# Altium PCB ROBOT1.PcbDoc (part 2 of 7)
Units mm, origin at the board's own origin, x right, y up, seen from the top; angles counter-clockwise.
Board outline 99.4 x 99.07 mm, 2 copper layers (Top Layer, Bottom Layer); 31 components, 29 nets, 151 pads, 0 vias.
Unrouted connection lines stored in the file: 3.
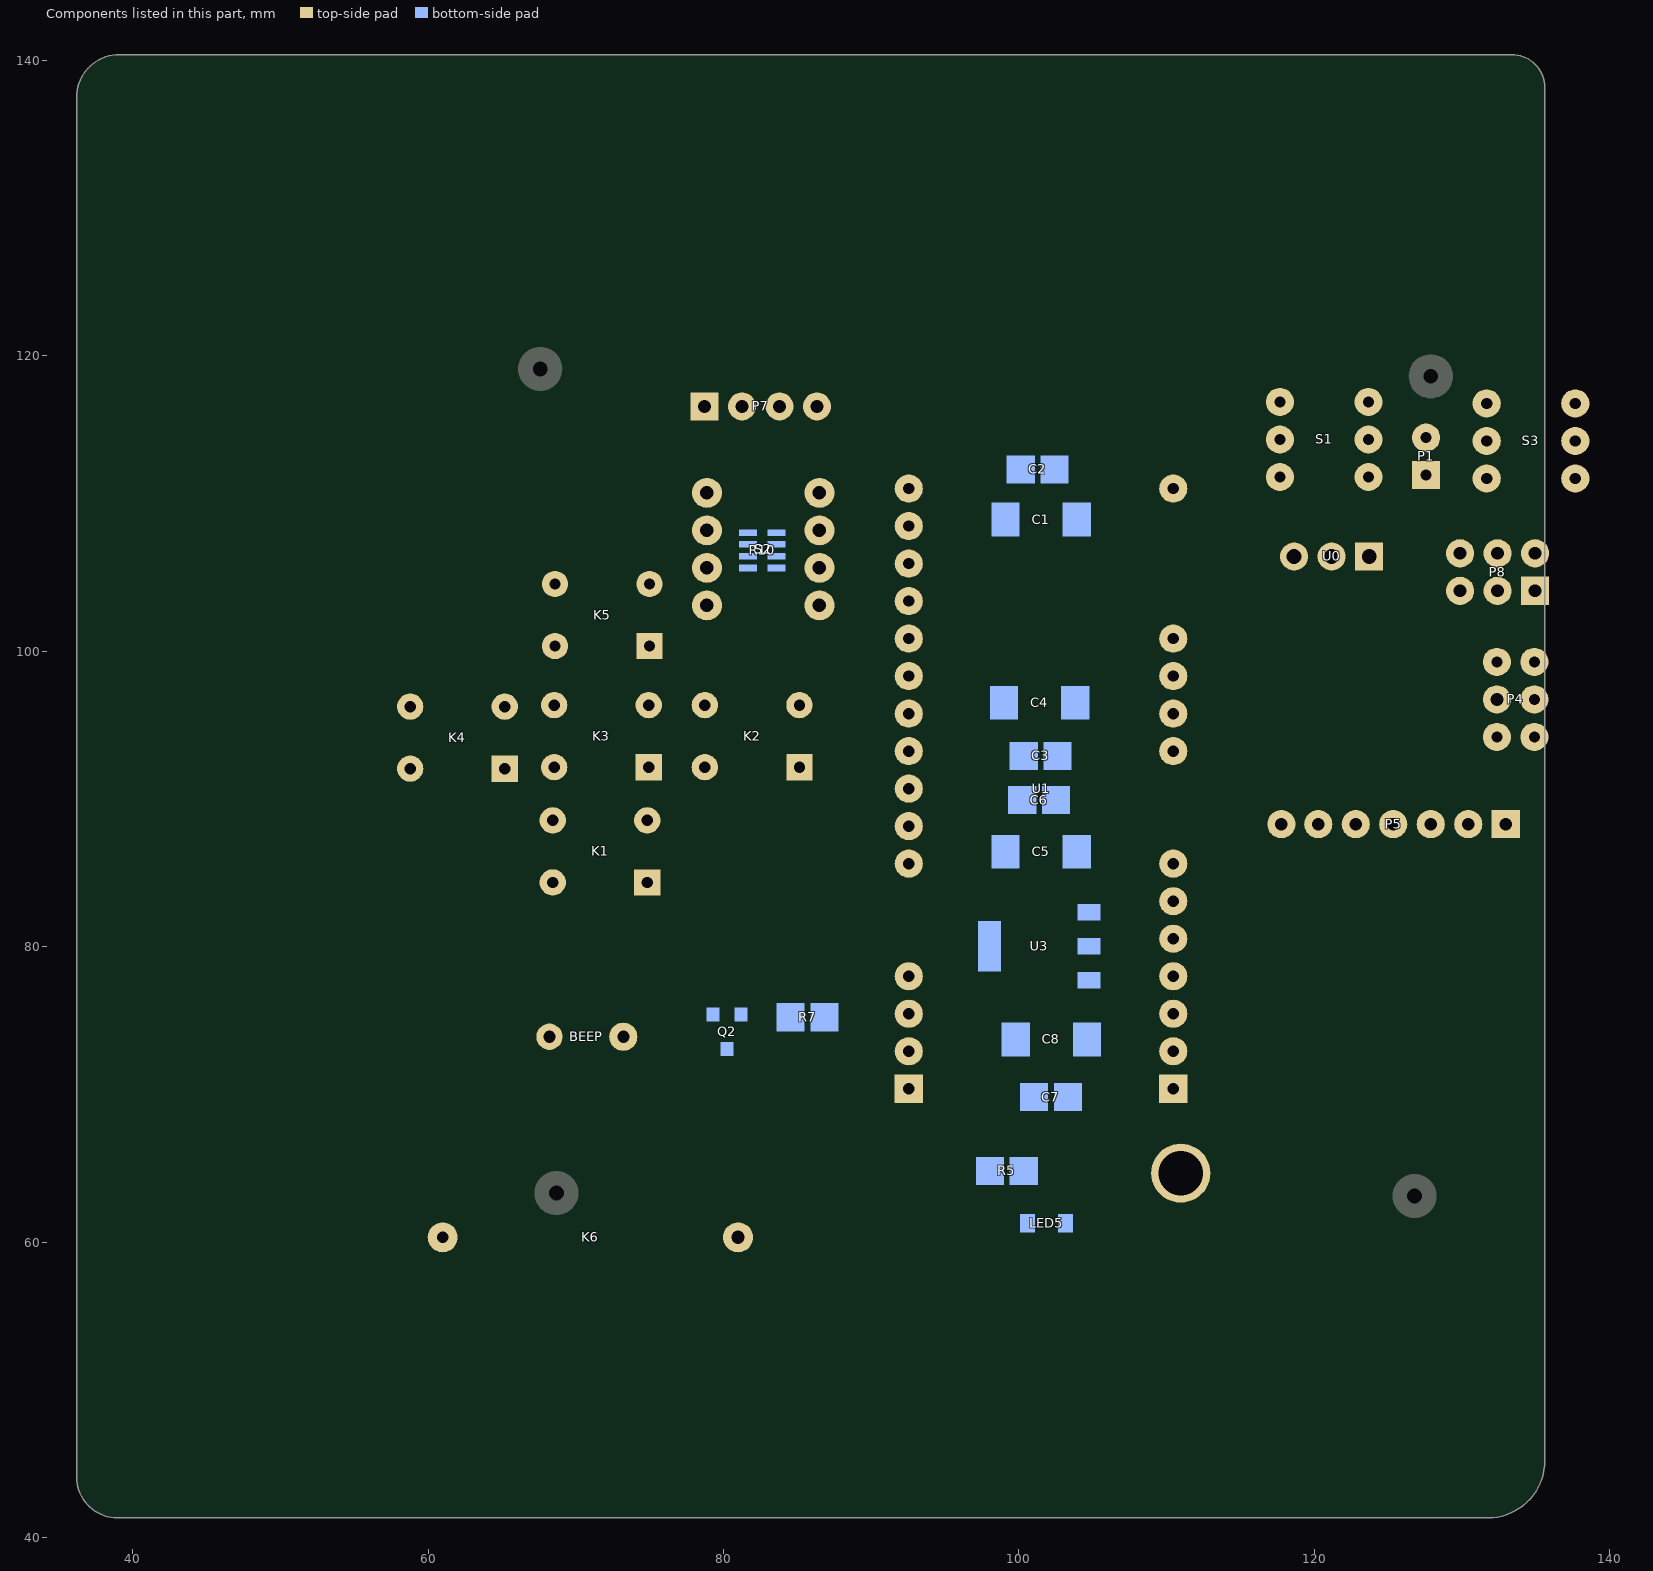
[diagram p2: the components of this part, seen from the top]

## Nets (pads, with @x,y where several pads share a name; then routed paths per layer and width w, separated by ;. In a path a pad name is that pad's centre, name@x,y a point inside that pad or via, vN(x,y) a via of type N, cw(c..) or ccw(c..) an arc to the next point about the centre after c; other vN are vias at no path point) (continued)
copper on no net: (continued)
  Bottom Layer w0.01: 56.234,113.219 59.548,113.219 ; 56.234,113.229 59.548,113.229 ; 56.244,113.239 59.538,113.239 ; 56.254,113.249 59.538,113.249 ; 56.264,113.259 59.528,113.259 ; 56.274,113.269 59.518,113.269 ; 56.274,113.279 59.518,113.279 ; 56.284,113.289 59.508,113.289 ; 56.284,113.299 56.384,113.299 ; 56.294,113.309 56.384,113.309 ; 56.294,113.319 56.394,113.319 ; 56.304,113.329 56.394,113.329 ; 56.304,113.339 56.404,113.339 ; 56.304,118.34 58.65,118.34 ; 56.304,118.35 58.66,118.35 ; 56.304,118.36 58.66,118.36 ; 56.314,113.349 56.414,113.349 ; 56.314,118.33 58.64,118.33 ; 56.324,113.359 56.414,113.359 ; 56.324,118.31 58.63,118.31 ; 56.324,118.32 58.64,118.32 ; 56.334,113.369 56.424,113.369 ; 56.334,113.379 56.424,113.379 ; 56.334,118.3 58.63,118.3 ; 56.344,113.389 56.434,113.389 ; 56.344,118.28 56.444,118.28 ; 56.344,118.29 58.62,118.29 ; 56.354,113.399 56.444,113.399 ; 56.354,118.26 56.444,118.26 ; 56.354,118.27 56.444,118.27 ; 56.364,113.409 56.444,113.409 ; 56.364,113.419 56.454,113.419 ; 56.364,113.428 56.464,113.428 ; 56.364,118.24 56.464,118.24 ; 56.364,118.25 56.454,118.25 ; 56.374,113.438 56.464,113.438 ; 56.374,113.448 56.473,113.448 ; 56.374,118.23 56.464,118.23 ; 56.384,113.458 56.483,113.458 ; 56.384,118.22 56.473,118.22 ; 56.394,113.468 56.483,113.468 ; 56.394,118.2 56.483,118.2 ; 56.394,118.21 56.483,118.21 ; 56.404,113.478 56.493,113.478 ; 56.404,113.488 56.493,113.488 ; 56.404,118.18 56.503,118.18 ; 56.404,118.19 56.493,118.19 ; 56.414,113.498 56.503,113.498 ; 56.414,118.17 56.503,118.17 ; 56.424,113.508 56.503,113.508 ; 56.424,113.518 56.513,113.518 ; 56.424,118.15 56.513,118.15 ; 56.424,118.16 56.513,118.16 ; 56.434,113.528 56.523,113.528 ; 56.434,113.538 56.523,113.538 ; 56.434,118.13 56.533,118.13 ; 56.434,118.14 56.523,118.14 ; 56.444,113.548 56.533,113.548 ; 56.444,118.12 56.533,118.12 ; 56.454,113.558 56.543,113.558 ; 56.454,113.568 56.543,113.568 ; 56.454,118.1 56.543,118.1 ; 56.454,118.11 56.543,118.11 ; 56.464,113.578 56.553,113.578 ; 56.464,113.588 56.553,113.588 ; 56.464,118.08 56.563,118.08 ; 56.464,118.09 56.553,118.09 ; 56.473,113.598 56.563,113.598 ; 56.473,118.07 56.563,118.07 ; 56.483,113.608 56.573,113.608 ; 56.483,113.618 56.573,113.618 ; 56.483,118.05 56.583,118.05 ; 56.483,118.06 56.573,118.06 ; 56.493,113.628 56.583,113.628 ; 56.493,113.638 56.583,113.638 ; 56.493,118.04 56.583,118.04 ; 56.503,113.648 56.593,113.648 ; 56.503,113.658 56.603,113.658 ; 56.503,118.02 56.593,118.02 ; 56.503,118.03 56.583,118.03 ; 56.513,113.668 56.603,113.668 ; 56.513,118.01 56.603,118.01 ; 56.523,113.678 56.613,113.678 ; 56.523,113.688 56.623,113.688 ; 56.523,117.98 56.623,117.98 ; 56.523,117.99 56.613,117.99 ; 56.523,118 56.613,118 ; 56.533,113.698 56.623,113.698 ; 56.533,117.97 56.633,117.97 ; 56.543,113.708 56.633,113.708 ; 56.543,113.718 56.633,113.718 ; 56.543,117.96 56.633,117.96 ; 56.553,113.728 56.643,113.728 ; 56.553,117.94 56.643,117.94 ; 56.553,117.95 56.643,117.95 ; 56.563,113.738 56.643,113.738 ; 56.563,113.748 56.653,113.748 ; 56.563,117.92 56.653,117.92 ; 56.563,117.93 56.653,117.93 ; 56.573,113.758 56.663,113.758 ; 56.573,113.768 56.673,113.768 ; 56.573,117.91 56.663,117.91 ; 56.583,113.778 56.673,113.778 ; 56.583,113.788 56.683,113.788 ; 56.583,117.891 56.673,117.891 ; 56.583,117.901 56.673,117.901 ; 56.593,113.798 56.683,113.798 ; 56.593,117.871 56.693,117.871 ; 56.593,117.881 56.683,117.881 ; 56.603,113.808 56.693,113.808 ; 56.603,113.818 56.703,113.818 ; 56.603,117.861 56.693,117.861 ; 56.613,113.828 56.703,113.828 ; 56.613,117.841 56.703,117.841 ; 56.613,117.851 56.703,117.851 ; 56.623,113.838 56.713,113.838 ; 56.623,113.848 56.713,113.848 ; 56.623,117.821 56.723,117.821 ; 56.623,117.831 56.713,117.831 ; 56.633,113.858 56.723,113.858 ; 56.633,117.811 56.723,117.811 ; 56.643,113.868 56.733,113.868 ; 56.643,113.878 56.733,113.878 ; 56.643,117.791 56.733,117.791 ; 56.643,117.801 56.733,117.801 ; 56.653,113.888 56.743,113.888 ; 56.653,113.898 56.743,113.898 ; 56.653,117.771 56.753,117.771 ; 56.653,117.781 56.743,117.781 ; 56.663,113.908 56.753,113.908 ; 56.663,117.761 56.753,117.761 ; 56.673,113.918 56.763,113.918 ; 56.673,113.928 56.763,113.928 ; 56.673,117.751 56.763,117.751 ; 56.683,113.938 56.773,113.938 ; 56.683,113.948 56.783,113.948 ; 56.683,117.731 56.773,117.731 ; 56.683,117.741 56.773,117.741 ; 56.693,113.958 56.783,113.958 ; 56.693,117.711 56.793,117.711 ; 56.693,117.721 56.783,117.721 ; 56.703,113.968 56.793,113.968 ; 56.703,113.978 56.793,113.978 ; 56.703,117.701 56.793,117.701 ; 56.713,113.987 56.803,113.987 ; 56.713,117.681 56.803,117.681 ; 56.713,117.691 56.803,117.691 ; 56.723,113.997 56.803,113.997 ; 56.723,114.007 56.813,114.007 ; 56.723,117.661 56.823,117.661 ; 56.723,117.671 56.813,117.671 ; 56.733,114.017 56.823,114.017 ; 56.733,114.027 56.833,114.027 ; 56.733,117.651 56.823,117.651 ; 56.743,114.037 56.833,114.037 ; 56.743,117.631 56.833,117.631 ; 56.743,117.641 56.833,117.641 ; 56.753,114.047 56.843,114.047 ; 56.753,114.057 56.843,114.057 ; 56.753,117.621 56.843,117.621 ; 56.763,114.067 56.853,114.067 ; 56.763,114.077 56.853,114.077 ; 56.763,117.601 56.853,117.601 ; 56.763,117.611 56.853,117.611 ; 56.773,114.087 56.863,114.087 ; 56.773,117.581 56.873,117.581 ; 56.773,117.591 56.863,117.591 ; 56.783,114.097 56.873,114.097 ; 56.783,114.107 56.873,114.107 ; 56.783,117.561 56.883,117.561 ; 56.783,117.571 56.873,117.571 ; 56.793,113.478 59.398,113.478 ; 56.793,113.488 59.388,113.488 ; 56.793,113.498 59.388,113.498 ; 56.793,114.117 56.883,114.117 ; 56.793,117.551 56.883,117.551 ; 56.803,113.508 59.378,113.508 ; 56.803,114.127 56.893,114.127 ; 56.803,114.137 56.893,114.137 ; 56.803,117.531 56.893,117.531 ; 56.803,117.541 56.893,117.541 ; 56.813,113.518 59.368,113.518 ; 56.813,113.528 59.358,113.528 ; 56.813,114.147 56.903,114.147 ; 56.813,117.511 56.913,117.511 ; 56.813,117.521 56.903,117.521 ; 56.823,113.538 59.358,113.538 ; 56.823,114.157 56.913,114.157 ; 56.823,114.167 56.913,114.167 ; 56.823,117.501 56.923,117.501 ; 56.833,113.548 56.943,113.548 ; 56.833,114.177 56.923,114.177 ; 56.833,114.187 56.923,114.187 ; 56.833,117.491 56.923,117.491 ; 56.843,113.558 56.933,113.558 ; 56.843,113.568 56.933,113.568 ; 56.843,114.197 56.933,114.197 ; 56.843,114.207 56.933,114.207 ; 56.843,117.471 56.933,117.471 ; 56.843,117.481 56.933,117.481 ; 56.853,113.578 56.933,113.578 ; 56.853,113.588 56.943,113.588 ; 56.853,114.217 56.943,114.217 ; 56.853,117.451 56.953,117.451 ; 56.853,117.461 56.943,117.461 ; 56.853,118.09 58.5,118.09 ; 56.863,113.598 56.953,113.598 ; 56.863,114.227 56.953,114.227 ; 56.863,114.237 56.953,114.237 ; 56.863,117.431 56.963,117.431 ; 56.863,117.441 56.953,117.441 ; 56.863,118.08 58.5,118.08 ; 56.863,118.1 58.51,118.1 ; 56.873,113.608 56.963,113.608 ; 56.873,113.618 56.963,113.618 ; 56.873,114.247 56.963,114.247 ; 56.873,114.257 56.973,114.257 ; 56.873,117.421 56.963,117.421 ; 56.873,118.06 58.49,118.06 ; 56.873,118.07 58.49,118.07 ; 56.883,113.628 56.973,113.628 ; 56.883,113.638 56.973,113.638 ; 56.883,114.267 56.973,114.267 ; 56.883,117.401 56.973,117.401 ; 56.883,117.411 56.973,117.411 ; 56.883,118.05 58.48,118.05 ; 56.893,113.648 56.983,113.648 ; 56.893,114.277 56.983,114.277 ; 56.893,114.287 56.983,114.287 ; 56.893,117.391 56.983,117.391 ; 56.893,118.03 58.23,118.03 ; 56.893,118.04 58.48,118.04 ; 56.903,113.658 56.993,113.658 ; 56.903,114.297 56.993,114.297 ; 56.903,114.307 56.993,114.307 ; 56.903,117.371 56.993,117.371 ; 56.903,117.381 56.993,117.381 ; 56.903,118.02 56.993,118.02 ; 56.913,113.668 56.993,113.668 ; 56.913,113.678 57.003,113.678 ; 56.913,114.317 57.003,114.317 ; 56.913,117.351 57.013,117.351 ; 56.913,117.361 57.003,117.361 ; 56.913,118 57.003,118 ; 56.913,118.01 56.993,118.01 ; 56.923,113.688 57.003,113.688 ; 56.923,113.698 57.013,113.698 ; 56.923,114.327 57.013,114.327 ; 56.923,114.337 57.013,114.337 ; 56.923,117.342 57.013,117.342 ; 56.923,117.98 57.013,117.98 ; 56.923,117.99 57.003,117.99 ; 56.933,113.708 57.023,113.708 ; 56.933,113.718 57.023,113.718 ; 56.933,114.347 57.023,114.347 ; 56.933,117.322 57.023,117.322 ; 56.933,117.332 57.023,117.332 ; 56.933,117.96 57.023,117.96 ; 56.933,117.97 57.013,117.97 ; 56.943,113.728 57.032,113.728 ; 56.943,114.357 57.032,114.357 ; 56.943,114.367 57.032,114.367 ; 56.943,117.312 57.032,117.312 ; 56.943,117.95 57.032,117.95 ; 56.953,113.548 57.023,113.548 ; 56.953,113.738 57.032,113.738 ; 56.953,113.748 57.042,113.748 ; 56.953,114.377 57.042,114.377 ; 56.953,117.292 57.042,117.292 ; 56.953,117.302 57.042,117.302 ; 56.953,117.93 57.042,117.93 ; 56.953,117.94 57.032,117.94 ; 56.963,113.758 57.052,113.758 ; 56.963,113.768 57.052,113.768 ; 56.963,114.387 57.042,114.387 ; 56.963,114.397 57.052,114.397 ; 56.963,117.272 57.062,117.272 ; 56.963,117.282 57.052,117.282 ; 56.963,117.92 57.052,117.92 ; 56.973,113.778 57.062,113.778 ; 56.973,114.407 57.052,114.407 ; 56.973,114.417 57.062,114.417 ; 56.973,117.252 57.072,117.252 ; 56.973,117.262 57.062,117.262 ; 56.973,117.901 57.062,117.901 ; 56.973,117.91 57.052,117.91 ; 56.983,113.788 57.072,113.788 ; 56.983,113.798 57.072,113.798 ; 56.983,114.427 57.072,114.427 ; 56.983,117.242 57.082,117.242 ; 56.983,117.891 57.072,117.891 ; 56.993,113.808 57.082,113.808 ; 56.993,114.437 57.072,114.437 ; 56.993,114.447 57.082,114.447 ; 56.993,117.222 57.092,117.222 ; 56.993,117.232 57.082,117.232 ; 56.993,117.871 57.082,117.871 ; 56.993,117.881 57.072,117.881 ; 57.003,113.818 57.092,113.818 ; 57.003,113.828 57.092,113.828 ; 57.003,114.457 57.092,114.457 ; 57.003,114.467 57.092,114.467 ; 57.003,117.212 57.092,117.212 ; 57.003,117.851 57.092,117.851 ; 57.003,117.861 57.082,117.861 ; 57.013,113.838 57.102,113.838 ; 57.013,113.848 57.102,113.848 ; 57.013,114.477 57.102,114.477 ; 57.013,117.192 57.112,117.192 ; 57.013,117.202 57.102,117.202 ; 57.013,117.831 57.102,117.831 ; 57.013,117.841 57.092,117.841 ; 57.023,113.858 57.112,113.858 ; 57.023,114.487 57.112,114.487 ; 57.023,114.497 57.112,114.497 ; 57.023,117.182 57.112,117.182 ; 57.023,117.821 57.112,117.821 ; 57.032,113.548 57.072,113.548 ; 57.032,113.868 57.122,113.868 ; 57.032,113.878 57.122,113.878 ; 57.032,114.507 57.122,114.507 ; 57.032,117.162 57.132,117.162 ; 57.032,117.172 57.122,117.172 ; 57.032,117.801 57.122,117.801 ; 57.032,117.811 57.112,117.811 ; 57.042,113.888 57.132,113.888 ; 57.042,113.898 57.132,113.898 ; 57.042,114.517 57.132,114.517 ; 57.042,114.527 57.132,114.527 ; 57.042,115.684 57.122,115.684 ; 57.042,115.694 57.122,115.694 ; 57.042,115.704 57.122,115.704 ; 57.042,117.142 57.142,117.142 ; 57.042,117.152 57.132,117.152 ; 57.042,117.781 57.132,117.781 ; 57.042,117.791 57.132,117.791 ; 57.052,113.908 57.142,113.908 ; 57.052,114.537 57.142,114.537 ; 57.052,114.546 57.142,114.546 ; 57.052,115.665 57.132,115.665 ; 57.052,115.674 57.132,115.674 ; 57.052,115.714 57.132,115.714 ; 57.052,115.724 57.132,115.724 ; 57.052,117.122 57.152,117.122 ; 57.052,117.132 57.142,117.132 ; 57.052,117.771 57.142,117.771 ; 57.062,113.918 57.152,113.918 ; 57.062,113.928 57.152,113.928 ; 57.062,114.556 57.152,114.556 ; 57.062,115.655 57.142,115.655 ; 57.062,115.734 57.142,115.734 ; 57.062,115.744 57.142,115.744 ; 57.062,117.112 57.152,117.112 ; 57.062,117.761 57.142,117.761 ; 57.072,113.938 57.162,113.938 ; 57.072,113.948 57.172,113.948 ; 57.072,114.566 57.152,114.566 ; 57.072,114.576 57.162,114.576 ; 57.072,115.635 57.152,115.635 ; 57.072,115.645 57.142,115.645 ; 57.072,115.754 57.152,115.754 ; 57.072,117.092 57.172,117.092 ; 57.072,117.102 57.162,117.102 ; 57.072,117.741 57.152,117.741 ; 57.072,117.751 57.152,117.751 ; 57.082,113.958 57.172,113.958 ; 57.082,114.586 57.172,114.586 ; 57.082,114.596 57.172,114.596 ; 57.082,115.615 57.162,115.615 ; 57.082,115.625 57.152,115.625 ; 57.082,115.764 57.162,115.764 ; 57.082,115.774 57.162,115.774 ; 57.082,117.082 57.172,117.082 ; 57.082,117.721 57.172,117.721 ; 57.082,117.731 57.162,117.731 ; 57.092,113.968 57.182,113.968 ; 57.092,113.978 57.182,113.978 ; 57.092,114.606 57.182,114.606 ; 57.092,115.595 57.172,115.595 ; 57.092,115.605 57.162,115.605 ; 57.092,115.784 57.172,115.784 ; 57.092,115.794 57.172,115.794 ; 57.092,117.052 57.192,117.052 ; 57.092,117.062 57.192,117.062 ; 57.092,117.072 57.182,117.072 ; 57.092,117.701 57.182,117.701 ; 57.092,117.711 57.172,117.711 ; 57.102,113.987 57.192,113.987 ; 57.102,114.616 57.192,114.616 ; 57.102,114.626 57.192,114.626 ; 57.102,115.585 57.182,115.585 ; 57.102,115.804 57.182,115.804 ; 57.102,117.691 57.192,117.691 ; 57.112,113.997 57.202,113.997 ; 57.112,114.007 57.202,114.007 ; 57.112,114.636 57.202,114.636 ; 57.112,114.646 57.202,114.646 ; 57.112,115.565 57.192,115.565 ; 57.112,115.575 57.182,115.575 ; 57.112,115.814 57.192,115.814 ; 57.112,115.824 57.192,115.824 ; 57.112,117.032 57.212,117.032 ; 57.112,117.042 57.202,117.042 ; 57.112,117.671 57.202,117.671 ; 57.112,117.681 57.192,117.681 ; 57.122,114.017 57.212,114.017 ; 57.122,114.656 57.212,114.656 ; 57.122,115.545 57.202,115.545 ; 57.122,115.555 57.192,115.555 ; 57.122,115.834 57.202,115.834 ; 57.122,115.844 57.202,115.844 ; 57.122,117.012 57.212,117.012 ; 57.122,117.022 57.212,117.022 ; 57.122,117.661 57.212,117.661 ; 57.132,114.027 57.212,114.027 ; 57.132,114.037 57.222,114.037 ; 57.132,114.666 57.222,114.666 ; 57.132,114.676 57.222,114.676 ; 57.132,115.525 57.212,115.525 ; 57.132,115.535 57.202,115.535 ; 57.132,115.854 57.212,115.854 ; 57.132,115.864 57.212,115.864 ; 57.132,117.002 57.222,117.002 ; 57.132,117.641 57.222,117.641 ; 57.132,117.651 57.212,117.651 ; 57.142,114.047 57.232,114.047 ; 57.142,114.057 57.232,114.057 ; 57.142,114.686 57.232,114.686 ; 57.142,115.515 57.212,115.515 ; 57.142,115.874 57.222,115.874 ; 57.142,116.982 57.232,116.982 ; 57.142,116.992 57.232,116.992 ; 57.142,117.631 57.222,117.631 ; 57.152,113.548 57.192,113.548 ; 57.152,114.067 57.242,114.067 ; 57.152,114.696 57.232,114.696 ; 57.152,114.706 57.242,114.706 ; 57.152,115.495 57.232,115.495 ; 57.152,115.505 57.222,115.505 ; 57.152,115.884 57.232,115.884 ; 57.152,115.894 57.232,115.894 ; 57.152,116.962 57.252,116.962 ; 57.152,116.972 57.242,116.972 ; 57.152,117.611 57.242,117.611 ; 57.152,117.621 57.232,117.621 ; 57.162,114.077 57.242,114.077 ; 57.162,114.087 57.252,114.087 ; 57.162,114.716 57.252,114.716 ; 57.162,114.726 57.252,114.726 ; 57.162,115.475 57.242,115.475 ; 57.162,115.485 57.232,115.485 ; 57.162,115.904 57.232,115.904 ; 57.162,115.914 57.242,115.914 ; 57.162,116.952 57.252,116.952 ; 57.162,117.591 57.252,117.591 ; 57.162,117.601 57.242,117.601 ; 57.172,114.097 57.262,114.097 ; 57.172,114.107 57.272,114.107 ; 57.172,114.736 57.262,114.736 ; 57.172,115.455 57.252,115.455 ; 57.172,115.465 57.252,115.465 ; 57.172,115.924 57.252,115.924 ; 57.172,115.934 57.252,115.934 ; 57.172,116.932 57.272,116.932 ; 57.172,116.942 57.262,116.942 ; 57.172,117.571 57.262,117.571 ; 57.172,117.581 57.262,117.581 ; 57.182,114.117 57.272,114.117 ; 57.182,114.746 57.272,114.746 ; 57.182,114.756 57.272,114.756 ; 57.182,115.445 57.262,115.445 ; 57.182,115.944 57.262,115.944 ; 57.182,116.922 57.272,116.922 ; 57.182,117.561 57.272,117.561 ; 57.192,114.127 57.282,114.127 ; 57.192,114.137 57.282,114.137 ; 57.192,114.766 57.282,114.766 ; 57.192,115.425 57.272,115.425 ; 57.192,115.435 57.262,115.435 ; 57.192,115.954 57.272,115.954 ; 57.192,115.964 57.272,115.964 ; 57.192,116.902 57.282,116.902 ; 57.192,116.912 57.282,116.912 ; 57.192,117.551 57.272,117.551 ; 57.202,114.147 57.292,114.147 ; 57.202,114.157 57.292,114.157 ; 57.202,114.776 57.282,114.776 ; 57.202,114.786 57.292,114.786 ; 57.202,115.405 57.282,115.405 ; 57.202,115.415 57.272,115.415 ; 57.202,115.974 57.282,115.974 ; 57.202,116.882 57.292,116.882 ; 57.202,116.892 57.292,116.892 ; 57.202,117.531 57.282,117.531 ; 57.202,117.541 57.282,117.541 ; 57.212,113.548 57.592,113.548 ; 57.212,114.167 57.302,114.167 ; 57.212,114.796 57.292,114.796 ; 57.212,114.806 57.302,114.806 ; 57.212,115.395 57.282,115.395 ; 57.212,115.984 57.282,115.984 ; 57.212,115.994 57.292,115.994 ; 57.212,116.004 57.292,116.004 ; 57.212,116.862 57.312,116.862 ; 57.212,116.872 57.302,116.872 ; 57.212,117.511 57.302,117.511 ; 57.212,117.521 57.292,117.521 ; 57.222,114.177 57.312,114.177 ; 57.222,114.187 57.312,114.187 ; 57.222,114.816 57.312,114.816 ; 57.222,115.375 57.302,115.375 ; 57.222,115.385 57.292,115.385 ; 57.222,116.014 57.302,116.014 ; 57.222,116.852 57.312,116.852 ; 57.222,117.501 57.312,117.501 ; 57.232,114.197 57.322,114.197 ; 57.232,114.826 57.312,114.826 ; 57.232,114.836 57.322,114.836 ; 57.232,115.355 57.312,115.355 ; 57.232,115.365 57.302,115.365 ; 57.232,116.024 57.302,116.024 ; 57.232,116.034 57.312,116.034 ; 57.232,116.842 57.322,116.842 ; 57.232,117.481 57.322,117.481 ; 57.232,117.491 57.312,117.491 ; 57.242,114.207 57.332,114.207 ; 57.242,114.217 57.332,114.217 ; 57.242,114.846 57.332,114.846 ; 57.242,115.335 57.322,115.335 ; 57.242,115.345 57.312,115.345 ; 57.242,116.044 57.322,116.044 ; 57.242,116.822 57.332,116.822 ; 57.242,116.832 57.332,116.832 ; 57.242,117.461 57.332,117.461 ; 57.242,117.471 57.322,117.471 ; 57.252,114.227 57.342,114.227 ; 57.252,114.856 57.332,114.856 ; 57.252,114.866 57.342,114.866 ; 57.252,115.315 57.332,115.315 ; 57.252,115.325 57.322,115.325 ; 57.252,116.054 57.322,116.054 ; 57.252,116.064 57.332,116.064 ; 57.252,116.802 57.352,116.802 ; 57.252,116.812 57.342,116.812 ; 57.252,117.441 57.342,117.441 ; 57.252,117.451 57.342,117.451 ; 57.262,114.237 57.352,114.237 ; 57.262,114.247 57.352,114.247 ; 57.262,114.876 57.342,114.876 ; 57.262,115.305 57.342,115.305 ; 57.262,116.074 57.332,116.074 ; 57.262,116.084 57.342,116.084 ; 57.262,116.792 57.352,116.792 ; 57.262,117.431 57.352,117.431 ; 57.272,114.257 57.362,114.257 ; 57.272,114.267 57.362,114.267 ; 57.272,114.886 57.352,114.886 ; 57.272,114.896 57.352,114.896 ; 57.272,115.285 57.352,115.285 ; 57.272,115.295 57.342,115.295 ; 57.272,116.094 57.352,116.094 ; 57.272,116.104 57.352,116.104 ; 57.272,116.773 57.362,116.773 ; 57.272,116.783 57.362,116.783 ; 57.272,117.411 57.362,117.411 ; 57.272,117.421 57.352,117.421 ; 57.282,114.277 57.372,114.277 ; 57.282,114.906 57.362,114.906 ; 57.282,114.916 57.372,114.916 ; 57.282,115.265 57.362,115.265 ; 57.282,115.275 57.352,115.275 ; 57.282,116.114 57.362,116.114 ; 57.282,116.124 57.362,116.124 ; 57.282,116.753 57.382,116.753 ; 57.282,116.763 57.372,116.763 ; 57.282,117.401 57.372,117.401 ; 57.292,114.287 57.372,114.287 ; 57.292,114.297 57.382,114.297 ; 57.292,114.926 57.372,114.926 ; 57.292,114.936 57.382,114.936 ; 57.292,115.245 57.372,115.245 ; 57.292,115.255 57.362,115.255 ; 57.292,116.134 57.372,116.134 ; 57.292,116.733 57.392,116.733 ; 57.292,116.743 57.382,116.743 ; 57.292,117.381 57.382,117.381 ; 57.292,117.391 57.372,117.391 ; 57.302,114.307 57.392,114.307 ; 57.302,114.317 57.392,114.317 ; 57.302,114.946 57.392,114.946 ; 57.302,115.235 57.382,115.235 ; 57.302,116.144 57.372,116.144 ; 57.302,116.154 57.382,116.154 ; 57.302,116.723 57.402,116.723 ; 57.302,117.371 57.392,117.371 ; 57.312,114.327 57.402,114.327 ; 57.312,114.337 57.412,114.337 ; 57.312,114.956 57.392,114.956 ; 57.312,114.966 57.402,114.966 ; 57.312,115.215 57.392,115.215 ; 57.312,115.225 57.382,115.225 ; 57.312,116.164 57.392,116.164 ; 57.312,116.174 57.392,116.174 ; 57.312,116.703 57.402,116.703 ; 57.312,116.713 57.402,116.713 ; 57.312,117.351 57.402,117.351 ; 57.312,117.361 57.392,117.361 ; 57.322,114.347 57.412,114.347 ; 57.322,114.976 57.412,114.976 ; 57.322,114.986 57.412,114.986 ; 57.322,115.195 57.402,115.195 ; 57.322,115.205 57.392,115.205 ; 57.322,116.184 57.402,116.184 ; 57.322,116.693 57.412,116.693 ; 57.322,117.332 57.412,117.332 ; 57.322,117.342 57.402,117.342 ; 57.332,114.357 57.422,114.357 ; 57.332,114.367 57.422,114.367 ; 57.332,114.996 57.422,114.996 ; 57.332,115.175 57.412,115.175 ; 57.332,115.185 57.412,115.185 ; 57.332,116.194 57.402,116.194 ; 57.332,116.204 57.412,116.204 ; 57.332,116.673 57.432,116.673 ; 57.332,116.683 57.422,116.683 ; 57.332,117.312 57.422,117.312 ; 57.332,117.322 57.412,117.322 ; 57.342,114.377 57.432,114.377 ; 57.342,115.006 57.512,115.006 ; 57.342,115.165 57.422,115.165 